# Altium PCB Copy of pcb-4layer-1oz-1.6mm.PcbDoc (part 2 of 3) (continued)
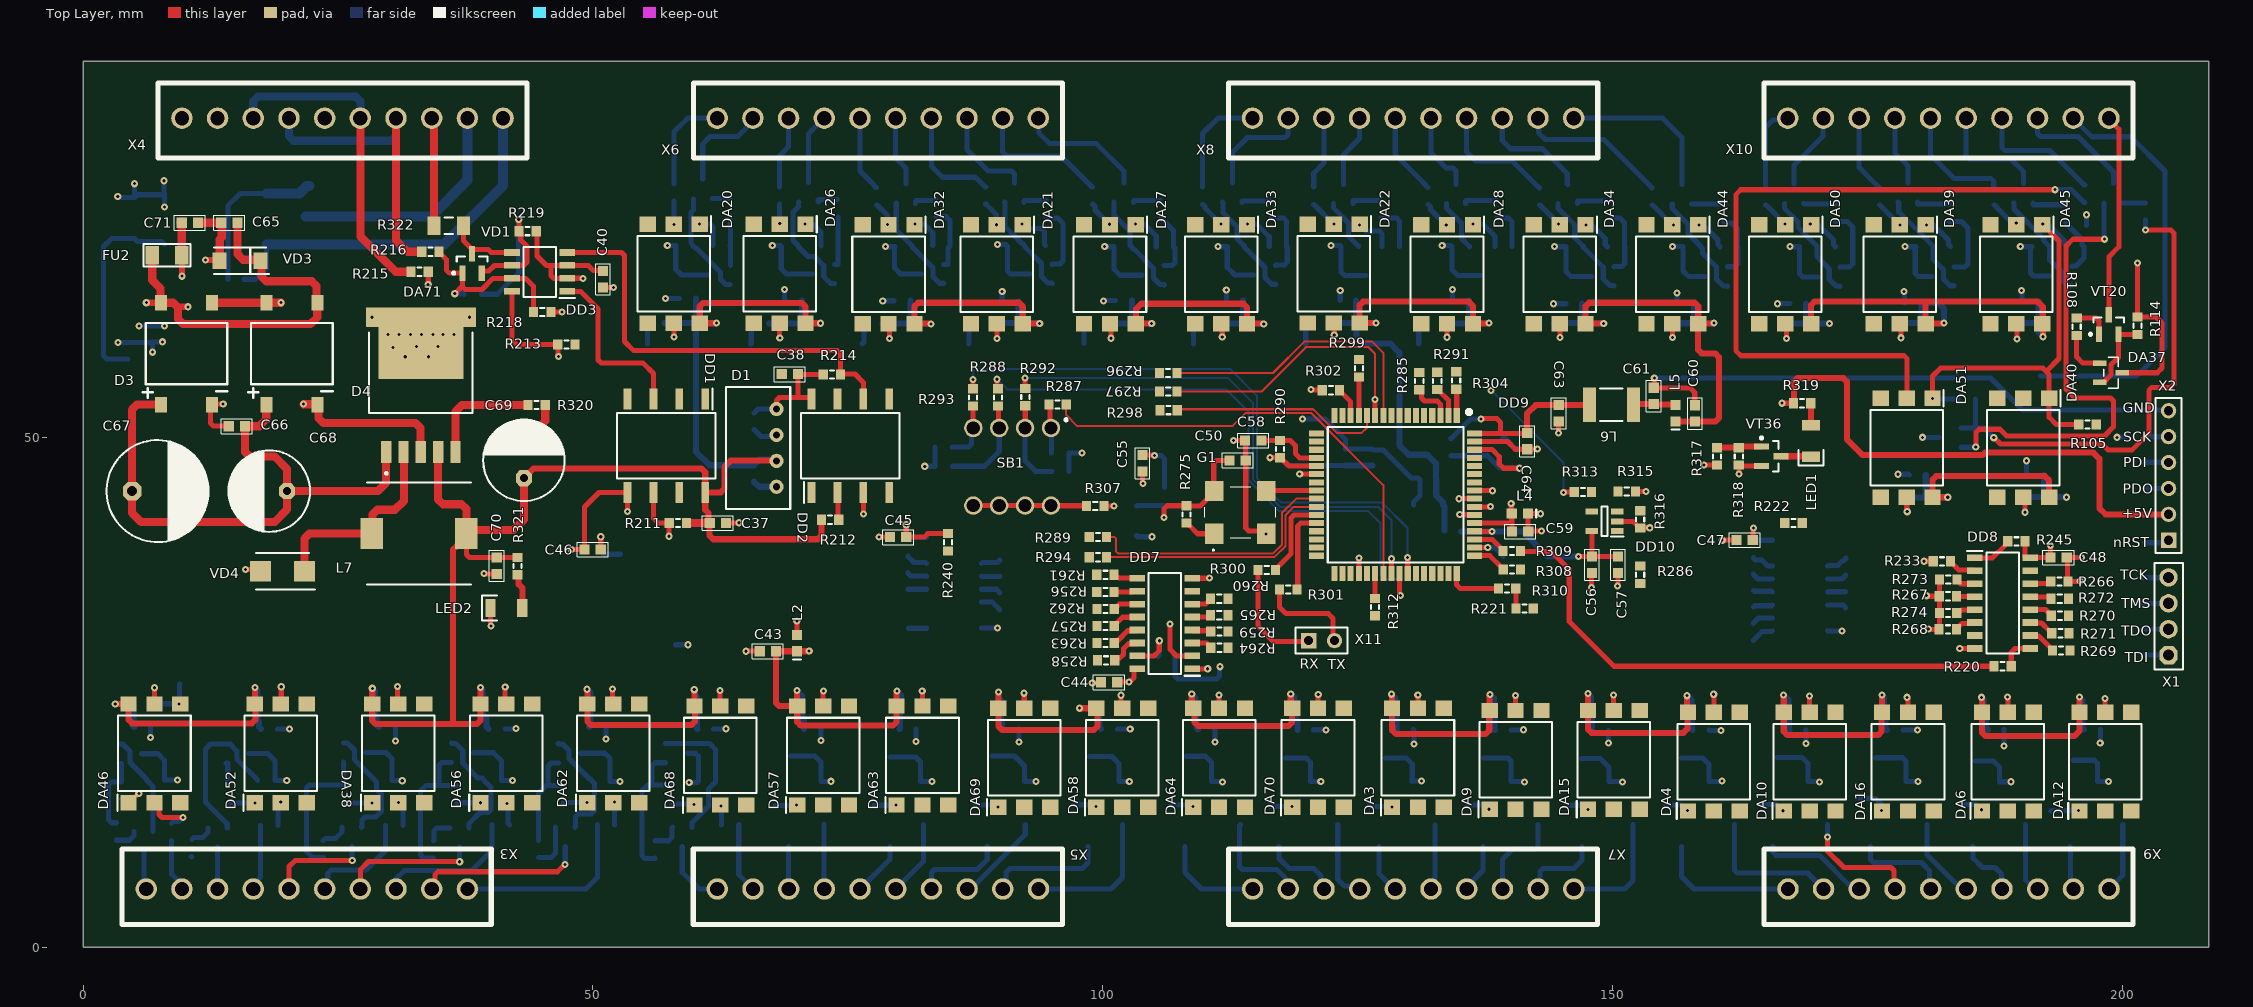
[diagram p0: Top Layer view]
## Nets (pads, with @x,y where several pads share a name; then routed paths per layer and width w, separated by ;. In a path a pad name is that pad's centre, name@x,y a point inside that pad or via, vN(x,y) a via of type N, cw(c..) or ccw(c..) an arc to the next point about the centre after c; other vN are vias at no path point) (continued)
  Top Layer w0.8: DA71.4@34.826,48.561 34.826,43.903 35.295,43.435 37.131,43.435 37.6,42.966 L7.1@37.6,40.561 ; L7.1@37.598,40.559 L7.1@37.6,40.561 ; C69.1@43.238,45.994 43.238,41.938 42.2,40.9 37.939,40.9 L7.1@37.6,40.561 ; R211.2@59.195,41.587 C37.1@61.457,41.587
  MID2 w0.6: v1(72.341,61.184) 72.368,61.184 v1@72.437,61.116 ; v1(93.824,61.159) v1@93.83,61.154 ; v1@104.806,61.154 v1(104.811,61.149) ; v1@149.079,61.2 149.113,61.166 v1(149.141,61.166)
  MID2 w1: 20.656,22.408 20.926,22.138 28.367,22.138 ; v1(28.367,25.381) 28.367,22.138 ; v1(49.411,25.29) 49.411,23.021 48.826,22.435 42.056,22.435 41.758,22.138 28.367,22.138 ; v1(59.945,25.243) 59.945,23.003 60.531,22.417 63.454,22.417 63.533,22.339 70,22.339 ; v1(70.023,25.169) 70.023,22.361 70,22.339 ; v1@72.437,61.116 v1@83.151,61.116 ; v1@89.762,25.015 89.762,23.079 89.021,22.339 70,22.339 ; v1@93.83,61.154 v1@104.806,61.154 ; v1(97.744,23.431) 107.358,23.431 v1(108.738,24.811) ; v1@115.866,61.166 v1@126.766,61.166 ; v1(118.446,24.83) 118.446,23.361 118.798,23.009 127.994,23.009 128.345,23.361 v1(128.345,24.802) ; v1(137.9,61.2) v1@149.079,61.2 ; v1(137.996,24.787) 137.996,23.133 138.348,22.782 147.239,22.782 147.591,23.133 v1(147.591,24.877) ; v1(157.323,24.658) 157.323,22.73 157.675,22.378 166.437,22.378 166.788,22.73 v1(166.788,24.72) ; v1(159.949,61.198) 171.233,61.198 171.266,61.164 v1(171.293,61.164) ; v1@171.313,61.183 171.383,61.183 173.1,61.183 ; v1(176.446,24.726) 176.446,23.253 176.798,22.902 185.849,22.902 186.2,23.253 v1(186.2,24.5) ; v1@182.483,61.183 173.1,61.183 ; v1(182.885,44.118) 182.886,44.119 188.8,44.119 ; v1(194.525,44.12) 194.524,44.119 188.8,44.119 ; 173.1,61.183 173.1,49.4 174.449,48.051 188.114,48.051 188.7,47.465 188.7,44.219 188.8,44.119
  Bottom Layer w0.6: v1(3.158,23.851) 3.175,23.869 R135.2@4.822,23.869 4.92,23.771 4.92,21.681 C23.1@5.017,21.583 ; v1(16.848,25.445) 16.848,25.418 17.126,25.139 R153.2@17.126,23.869 17.126,22.274 17.256,22.144 17.256,21.599 C26.1@17.456,21.399 ; v1(28.367,25.381) 28.367,25.354 28.618,25.103 R115.2@28.618,23.869 28.618,22.482 28.809,22.291 28.809,21.783 C18.1@29.009,21.583 ; v1(38.989,25.472) 38.989,25.445 39.149,25.286 R169.2@39.149,23.909 ; R169.2@39.108,23.869 39.172,23.804 39.172,22.91 39.582,22.5 39.582,21.599 C27.1@39.782,21.399 ; v1(49.411,25.29) 49.411,25.263 49.776,24.898 49.776,23.871 R187.2@49.779,23.869 ; C30.1@49.642,21.583 49.762,21.703 R187.2@49.762,23.852 ; R62.2@57.037,61.183 57.047,61.193 60.1,61.193 ; v1(59.945,25.243) 59.964,25.224 59.964,24.736 60.2,24.5 60.2,23.659 R205.2@60.206,23.653 60.231,23.628 60.231,21.424 C33.1@60.256,21.399 ; C9.1@60.102,63.603 60.102,61.195 60.1,61.193 ; v1(62.114,61.203) 62.104,61.193 60.1,61.193 ; R79.2@67.278,61.175 67.283,61.179 70.4,61.179 ; D1.2@68.008,47.688 67.888,47.808 66.347,47.808 C36.2@65.794,47.254 61.446,47.254 60.1,48.6 60.1,61.193 ; v1(70.023,25.169) 70.023,25.142 70.5,24.665 70.5,23.705 R170.2@70.447,23.653 70.5,23.6 70.5,22.5 70.7,22.3 70.7,21.405 C28.1@70.706,21.399 ; C12.1@70.508,63.417 70.508,61.287 70.4,61.179 ; v1(72.341,61.184) 72.337,61.179 70.4,61.179 ; R99.2@78.43,61.157 81.1,61.157 ; v1(79.824,25.107) 79.824,25.08 80.2,24.704 80.2,23.676 R188.2@80.176,23.653 80.132,23.608 80.132,21.431 C31.1@80.087,21.386 ; C15.1@81.151,63.417 81.151,61.207 81.1,61.157 ; v1(83.178,61.116) 83.151,61.116 83.111,61.157 81.1,61.157 ; R61.2@89.201,61.194 91.8,61.194 ; v1(89.772,25.025) 89.791,25.006 89.791,24.409 90,24.2 90,23.469 R207.2@90.032,23.438 90.032,22.368 90.1,22.3 90.1,21.427 C34.1@90.165,21.361 ; C10.1@91.756,63.315 91.756,61.238 91.8,61.194 ; v1(93.824,61.159) 93.797,61.159 93.762,61.194 91.8,61.194 ; v1(97.744,23.431) 97.747,23.434 99.597,23.434 R171.2@99.6,23.438 99.7,23.338 99.7,21.537 C29.1@99.837,21.4 ; R80.2@100.268,61.159 100.273,61.154 102.9,61.154 ; C13.1@102.864,63.417 102.864,61.19 102.9,61.154 ; v1(104.811,61.149) 104.806,61.154 102.9,61.154 ; v1(108.738,24.811) 108.757,24.792 108.757,24.765 109.099,24.423 109.099,23.489 R189.2@109.15,23.438 109.191,23.397 109.191,21.53 C32.1@109.366,21.355 ; R97.2@111.117,61.174 113.7,61.174 ; C16.1@113.751,63.417 113.751,61.225 113.7,61.174 ; v1(115.8,61.1) 115.773,61.1 115.699,61.174 113.7,61.174 ; 118.811,24.493 118.811,23.588 R206.2@118.961,23.438 118.961,22.339 119.1,22.2 119.1,21.328 C35.1@119.106,21.322 ; R63.2@122.162,61.208 122.166,61.204 124.9,61.204 ; C11.1@124.859,63.417 124.859,61.245 124.9,61.204 ; v1(126.8,61.2) 126.796,61.204 124.9,61.204 ; v1(128.345,24.802) 128.345,24.775 128.7,24.42 128.7,23.472 R11.2@128.665,23.438 128.8,23.303 128.8,21.396 C1.1@128.841,21.355 ; R81.2@133.266,61.146 136,61.146 ; L3.1@133.541,40.873 133.541,43.21 C49.1@133.374,43.377 133.374,43.627 132.719,44.283 C51.1@132.719,45.814 132.7,45.833 132.7,47.412 131.826,48.286 130.014,48.286 129.1,49.2 129.1,58.306 128.206,59.2 125.251,59.2 124.9,59.551 124.9,61.204 ; C14.1@135.913,63.417 135.913,61.233 136,61.146 ; v1(137.9,61.2) 137.873,61.2 137.819,61.146 136,61.146 ; 138.357,24.443 R28.2@138.357,23.27 138.408,23.219 138.408,21.347 C4.1@138.459,21.297 ; R98.2@144.25,61.224 147.2,61.224 ; C17.1@147.039,63.102 147.039,61.385 147.2,61.224 ; 147.9,24.541 147.9,23.316 R46.2@147.946,23.27 147.97,23.246 147.97,21.283 C7.1@147.994,21.259 ; v1(149.141,61.166) 149.113,61.166 149.055,61.224 147.2,61.224 ; R134.2@155.404,61.169 155.418,61.183 158,61.183 ; v1(157.323,24.658) 157.323,24.655 157.721,24.257 157.721,23.307 R12.2@157.758,23.27 157.807,23.221 157.807,21.343 C2.1@157.856,21.294 ; C21.1@158.006,63.128 158.006,61.19 158,61.183 ; v1(159.949,61.198) 159.935,61.183 158,61.183 ; R151.2@166.535,61.176 166.541,61.17 168.914,61.17 ; v1(166.788,24.72) 166.815,24.72 167.268,24.267 167.268,23.296 R29.2@167.285,23.28 ; R29.2@167.294,23.27 167.317,23.248 167.317,21.297 C5.1@167.34,21.275 ; C24.1@168.998,63.137 168.998,61.254 168.914,61.17 ; v1(171.293,61.164) 171.287,61.17 168.914,61.17 ; v1(176.446,24.726) 176.446,24.699 176.622,24.522 R45.2@176.622,23.273 ; R45.2@176.62,23.27 176.761,23.13 176.761,21.423 C8.1@176.907,21.277 ; R116.2@177.825,61.197 179.949,61.197 180.3,61.548 180.3,63.175 C19.1@180.295,63.18 180.315,63.2 181.949,63.2 182.5,62.649 v1(182.5,61.2) ; R152.2@178.32,44.102 178.328,44.11 180.602,44.11 ; C25.1@180.724,46.284 180.724,44.232 180.602,44.11 ; v1(182.885,44.118) 182.877,44.11 180.602,44.11 ; v1(186.2,24.5) 186.2,24.473 186.41,24.262 186.41,23.345 R17.2@186.485,23.27 186.629,23.126 186.629,21.5 C3.1@186.816,21.313 ; R133.2@189.088,61.192 191.8,61.192 ; R117.2@189.756,44.153 192.3,44.153 ; C22.1@191.81,63.304 191.8,63.294 191.8,61.192 ; v1(192.235,59.859) 191.8,60.294 191.8,61.192 ; C20.1@192.307,46.284 192.307,44.16 192.3,44.153 ; v1(194.525,44.12) 194.498,44.12 194.465,44.153 192.3,44.153 ; v1(195.808,24.514) 195.808,24.487 196.1,24.195 196.1,23.296 R39.2@196.075,23.27 196.1,23.245 196.1,21.474 C6.1@196.249,21.325
+5_GEN: C50.1 C52.1 G1.4 R275.2 R276.1 | length 15
  Top Layer w0.5: v1(106.01,42.134) 106.034,42.157 106.034,42.989 106.327,43.282 R275.2@108.229,43.282 ; R275.2@108.232,43.279 109.603,43.279 G1.4@111.1,44.776 ; G1.4@110.959,44.735 110.893,44.802 110.893,47.444 111.186,47.737 C50.1@112.435,47.737
  Bottom Layer w0.5: C52.1@103.314,43.257 103.348,43.292 105.985,43.292 R276.1@106.019,43.327 106.019,42.142 v1(106.01,42.134)
+5_L: C44.1 C45.1 C46.1 C47.1 C48.1 DD4.16 DD5.16 DD6.16 DD7.16 DD8.16 L2.2 R233.2 R240.2 R245.2 | length 225.7
  Top Layer w0.5: v1(50.771,40.244) 50.772,40.243 C46.1@50.772,39.005 ; v1(70,32) 70.03,31.97 L2.2@70.03,30.62 ; v1(80.737,41.423) 80.74,41.42 80.74,40.211 C45.1@80.744,40.207 82.489,40.207 82.834,40.552 R240.2@84.83,40.552 ; C44.1@101.422,25.982 102.582,25.982 v1(102.6,26) 102.638,26.038 102.699,26.038 103.053,26.393 103.053,27.215 103.128,27.29 DD7.16@103.381,27.29 ; C47.1@163.764,39.934 163.764,41.03 v1(163.825,41.091) ; v1(180.562,37.841) 181.455,37.841 R233.2@181.46,37.836 ; R245.2@190.462,39.797 190.462,38.255 190.537,38.18 DD8.16@190.974,38.18 190.986,38.192 192.938,38.192 C48.1@192.95,38.204 192.95,39.363 v1(192.972,39.385)
  MID2 w1: v1(50.771,40.244) 51.814,39.2 68.6,39.2 70,37.8 70,36.5 ; v1(70,32) 70,36.5 ; 163.834,26.108 184.208,26.108 187.6,29.5 187.6,38.2 ; v1@163.834,41.082 163.834,26.106 102.706,26.106 v1(102.6,26) 102.562,26.038 102.562,26.745 102.307,27 87.1,27 85.5,28.6 85.5,41.13 85.207,41.423 v1(80.737,41.423) 77.85,41.423 72.927,36.5 70,36.5 ; v1(180.562,37.841) 180.921,38.2 187.6,38.2 ; v1(192.972,39.385) 191.787,38.2 187.6,38.2
  Bottom Layer w0.5: v1(50.771,40.244) 50.771,38.829 51.067,38.533 DD6.16@52.69,38.533 ; v1(80.737,41.423) 80.737,40.47 81.03,40.177 DD4.16@82.709,40.177 ; v1(163.825,41.091) 163.864,41.053 163.864,40.236 164.196,39.904 DD5.16@165.682,39.904
+5_MCU: C53.1 C54.1 C55.1 C56.1 C57.1 DD9.21 DD9.52 DD10.5 L3.2 R276.2 R290.2 R295.1 R303.1 R305.1 R306.1 R315.2 R319.2 X2.2 | length 189.8
  Top Layer w0.5: C55.1@103.9,48.256 105.044,48.256 v1(105.1,48.2) ; v1(116.4,48) 117.398,48 R290.2@117.4,47.997 117.45,47.997 118.266,47.182 DD9.21@120.975,47.182 ; DD9.52@136.475,40.782 136.482,40.774 138.189,40.774 v1(138.196,40.767) ; v1(146.653,38.304) 146.66,38.297 C56.1@147.996,38.297 C57.1@150.533,38.297 ; DD10.5@147.958,40.809 147.977,40.79 147.977,38.309 C56.1@147.984,38.302 ; R315.2@152.252,44.689 153.289,44.689 v1(153.3,44.7) ; v1(166.622,53.343) 166.628,53.337 R319.2@167.755,53.337
  Top Layer w0.6: R319.2@167.789,53.371 167.789,55.449 168.141,55.8 172.649,55.8 173,55.449 173,49.8 174.549,48.251 186.298,48.251 186.547,48.5 197.161,48.5 197.762,47.899 197.762,43.038 198.356,42.444 X2.2@204.546,42.444
  MID2 w1: v1(82.548,47.156) 91.256,47.156 92.596,48.496 v1@97.926,48.496 ; v1@98.012,48.464 104.782,48.464 105.046,48.2 v1(105.1,48.2) ; v1@105.154,48.2 105.354,48 v1(116.4,48) 127.4,48 134.7,40.7 136.387,40.7 136.455,40.767 v1(138.196,40.767) ; v1(146.653,38.304) 148.949,38.304 149.3,38.655 149.3,44.349 149.651,44.7 v1(153.3,44.7) 159.112,50.512 165.212,50.512 166.622,51.922 v1(166.622,53.343)
  Bottom Layer w0.5: v1@82.549,47.157 R303.1@83.567,47.157 83.557,47.167 83.557,49.041 R295.1@83.547,49.051 ; R305.1@96.707,46.656 96.7,46.664 96.7,48.452 R306.1@96.692,48.46 97.953,48.46 v1(97.958,48.464) ; v1(105.1,48.2) 105.76,48.2 106.053,47.907 R276.2@106.053,45.06 ; v1(116.4,48) 117.4,48 118.167,47.233 C53.1@123.763,47.233
  Bottom Layer w0.6: C53.1@123.763,47.233 C54.1@126.464,47.233 ; L3.2@135.154,40.759 135.158,40.763 138.192,40.763 v1(138.196,40.767) 141.193,40.767 143.656,38.304 v1(146.653,38.304)
+5V_ISO: C38.2 C39.2 C40.1 D1.4 DD2.8 DD3.2 DD3.3 DD3.8 R213.2 R214.2 R219.2 | length 75.3
  Top Layer w0.5: DD3.8@42.067,64.316 42.067,59.533 42.501,59.099 R213.2@46.556,59.099 46.585,59.07 46.585,57.936 v1(46.613,57.908) ; R219.2@44.452,70.217 44.51,70.16 44.51,67.79 45.444,66.856 45.9,66.856 ; v1(49.04,65.584) 49.024,65.6 47.503,65.6 DD3.2@47.489,65.586 46.193,65.586 45.9,65.879 45.9,66.856 ; C40.1@51,66.3 50.943,66.357 50.043,66.357 49.544,66.856 DD3.3@47.489,66.856 45.9,66.856 ; D1.4@68.008,52.768 68,52.776 68,53.607 68.293,53.9 70.1,53.9 ; DD2.8@71.448,53.748 71.448,53.775 71.323,53.9 70.1,53.9 ; R214.2@72.6,56.145 72.574,56.17 70.152,56.17 C38.2@70.127,56.196 70.127,53.927 70.1,53.9
  MID2 w1: v1@46.601,57.92 45.654,57.92 ; v1(49.04,65.584) 49.024,65.6 45.947,65.6 45.654,65.307 45.654,57.92 ; D1.4@67.991,52.785 45.947,52.785 45.654,53.078 45.654,57.92
  Bottom Layer w0.5: C39.2@65.794,52.369 66.193,52.768 D1.4@68.008,52.768
+12V_INPUTS: C42.1 DA3.1 DA4.1 DA6.1 DA9.1 DA10.1 DA12.1 DA15.1 DA16.1 DA20.1 DA21.1 DA22.1 DA26.1 DA27.1 DA28.1 DA32.1 DA33.1 DA34.1 DA38.1 DA39.1 DA40.1 DA44.1 DA45.1 DA46.1 DA50.1 DA51.1 DA52.1 DA56.1 DA57.1 DA58.1 DA62.1 DA63.1 DA64.1 DA68.1 DA69.1 DA70.1 L1.2 R1.2 R2.2 R5.2 R18.2 R19.2 R27.2 R35.2 R36.2 R49.2 R50.2 R51.2 R67.2 R68.2 R69.2 R85.2 R86.2 R87.2 R103.2 R104.2 R105.2 R121.2 R122.2 R123.2 R139.2 R140.2 R141.2 R157.2 R158.2 R159.2 R175.2 R176.2 R177.2 R193.2 R194.2 R195.2 | length 139.5
  Top Layer w0.5: DA46.1@4.46,14.15 4.51,14.15 5.411,15.051 v1(5.464,15.051) ; DA52.1@16.846,14.15 16.846,14.146 v1(16.868,14.124) ; v1(28.339,14.142) 28.36,14.142 DA38.1@28.368,14.15 ; v1(38.963,14.159) 38.972,14.15 DA56.1@38.976,14.15 ; v1(49.416,14.165) 49.431,14.165 49.447,14.15 DA62.1@49.46,14.15 ; v1(60.462,70.907) 60.462,70.905 DA20.1@60.478,70.889 ; v1(70.8,70.9) 70.848,70.9 DA26.1@70.859,70.889 ; DA70.1@118.58,13.728 118.58,13.769 v1(118.586,13.776) ; v1(181.387,53.816) 181.387,56.001 182.186,56.8 192.2,56.8 192.538,56.462 ; v1(192.2,70.9) 192.2,70.855 193.8,69.255 193.8,57.724 192.538,56.462 ; R105.2@195.74,51.264 193.536,51.264 192.83,51.97 DA40.1@192.83,53.816 192.83,56.17 192.538,56.462
  Bottom Layer w0.5: v1(3.41,59.3) 3.417,59.294 L1.2@4.405,59.294 4.412,59.3 6.749,59.3 C42.1@6.756,59.307 ; R123.2@3.765,14.51 4.869,14.51 5.41,15.051 v1(5.464,15.051) ; v1(6.822,58.346) 6.822,59.242 C42.1@6.756,59.307 ; v1(7.788,59.364) 7.76,59.336 6.785,59.336 C42.1@6.756,59.307 ; R141.2@14.187,14.161 14.224,14.124 v1(16.868,14.124) ; R103.2@25.748,14.161 25.757,14.152 28.329,14.152 v1(28.339,14.142) ; R157.2@36.689,14.161 36.69,14.16 38.962,14.16 v1(38.963,14.159) ; R175.2@47.123,14.161 47.125,14.163 49.414,14.163 v1(49.416,14.165) ; R193.2@57.762,14.161 57.879,14.044 59.821,14.044 59.884,13.981 v1(59.938,13.981) ; v1(60.462,70.907) 61.483,70.907 61.776,70.614 R49.2@61.776,68.821 ; R158.2@67.844,13.894 69.966,13.894 v1(69.987,13.915) ; v1(70.8,70.9) 70.838,70.862 71.638,70.862 72.36,70.14 R67.2@72.36,68.745 ; R176.2@77.574,13.901 77.585,13.912 79.7,13.912 v1(79.711,13.923) ; v1(81.6,70.9) 82.499,70.9 83.339,70.06 R85.2@83.339,68.814 ; R194.2@87.416,13.936 89.494,13.936 89.678,13.753 v1(89.732,13.753) ; v1(92.1,70.9) 92.54,70.46 94.007,70.46 94.3,70.167 94.3,68.927 R50.2@94.412,68.814 ; R159.2@97.2,13.965 99.092,13.965 99.272,13.785 v1(99.326,13.785) ; v1(103.2,70.9) 104.1,70.9 105.256,69.744 R68.2@105.256,68.687 ; R177.2@106.681,13.94 108.635,13.94 108.794,13.781 v1(108.848,13.781) ; v1@114.207,70.907 115.112,70.907 116.342,69.676 R86.2@116.342,68.704 ; R195.2@116.366,13.932 116.505,13.794 118.568,13.794 v1(118.586,13.776) ; v1(125.2,70.8) 125.254,70.8 125.805,70.249 127.107,70.249 127.4,69.956 R51.2@127.4,68.697 ; R1.2@126.14,13.916 126.284,13.772 128.329,13.772 v1(128.367,13.734) ; R18.2@135.759,13.944 137.408,13.944 137.833,13.519 v1(137.888,13.519) ; v1(136.3,70.9) 137.3,70.9 138.465,69.735 R69.2@138.465,68.704 ; R35.2@145.411,13.909 147.156,13.909 v1(147.579,13.487) ; v1(147.4,70.8) 148,70.8 148.7,70.1 149.293,69.507 149.293,68.877 R87.2@149.484,68.687 ; R2.2@155.218,13.93 156.782,13.93 157.318,13.394 v1(157.372,13.394) ; v1(158.5,70.8) 158.538,70.762 158.938,70.762 159.8,69.9 160.354,69.346 160.354,68.892 R121.2@160.554,68.692 ; R19.2@164.631,13.971 166.14,13.971 v1(166.742,13.37) ; v1(169.4,70.9) 170.135,70.9 171.67,69.365 171.67,68.891 R139.2@171.87,68.691 ; R36.2@174.299,14.57 175.82,14.57 176.393,13.997 176.393,13.407 v1(176.4,13.4) ; v1(180.8,70.8) 181.516,70.8 182.968,69.348 182.968,68.903 R104.2@183.168,68.703 ; v1(181.387,53.816) 181.441,53.816 181.51,53.747 R140.2@183.901,53.747 ; R5.2@184.178,13.975 185.7,13.975 v1(186.206,13.469) ; v1(192.2,70.9) 192.226,70.874 192.729,70.874 194.352,69.251 194.352,68.891 R122.2@194.552,68.691 ; R27.2@192.977,13.332 193.045,13.4 v1(195.7,13.4)
  other v1: 114.2,70.9
AREF: C62.1 DD9.62 R314.1 | length 12.8
  Top Layer w0.5: DD9.62@136.489,48.796 138.204,48.796 138.9,48.1 138.9,47.393 139.327,46.966 v1(140.893,46.966)
  Bottom Layer w0.5: R314.1@134.188,48.186 137.75,48.186 138.957,46.979 140.881,46.979 v1(140.893,46.966)
AVCC: C63.1 C64.1 DD9.64 L6.2 R314.2 | length 20.5
  Top Layer w0.5: DD9.64@136.475,50.382 139.03,50.382 ; v1@137.124,51.824 138.676,51.824 139.03,51.47 139.03,50.382 ; C64.1@141.585,50.382 139.03,50.382
  Top Layer w0.6: C64.1@141.585,50.382 C64.1@141.636,50.432 141.636,52.336 142.455,53.155 C63.1@144.723,53.155 147.71,53.155 L6.2@147.752,53.197
  Bottom Layer w0.5: R314.2@134.138,49.886 134.188,49.886 136.102,51.8 v1(137.1,51.8)
CP_to_MCU: DD4.2 DD5.2 DD6.2 DD7.2 DD8.2 R221.2 R233.1 | length 7.8
  Top Layer w0.5: v1(106.6,31.7) 106.6,29.2 107.24,28.56 DD7.2@108.805,28.56 ; R233.1@183.16,37.836 183.16,37.786 183.957,36.989 184.744,36.989 184.748,36.985 185.475,36.985 DD8.2@185.55,36.91
DIP_CON_1: DD9.39 R287.2 | length 44.7
  Top Layer w0.2: R287.2@96.421,53.226 96.421,52.2 97.521,51.1 112.721,51.1 114.021,52.4 120.437,52.4 127.525,45.312 DD9.39@127.525,36.632
DIP_CON_2: DD9.40 R292.2 | length 52.3
  Top Layer w0.5: v1(92.4,55.8) 92.4,54.805 R292.2@92.415,54.79 ; DD9.40@128.325,36.632 128.325,38.083 v1(128.328,38.087)
  Bottom Layer w0.2: v1(92.4,55.8) 112.3,55.8 114.728,53.372 114.728,45.872 117.434,43.166 127.034,43.166 128.328,41.872 v1(128.328,38.087)
DIP_CON_3: DD9.41 R288.2 | length 59.1
  Top Layer w0.5: v1(89.648,55.691) 89.648,54.835 R288.2@89.725,54.758 ; DD9.41@129.125,36.632 129.125,34.575 v1(129.2,34.5)
  Bottom Layer w0.2: v1(89.648,55.691) 90.639,54.7 112.1,54.7 114.3,52.5 114.3,45.784 117.321,42.763 126.037,42.763 127.249,41.551 127.249,36.451 127.6,36.1 128.9,36.1 129.2,35.8 v1(129.2,34.5)
DIP_CON_4: DD9.42 R293.2 | length 60.1
  Top Layer w0.5: R293.2@87.274,54.765 87.289,54.781 v1(87.289,55.656) ; v1(129.9,38.2) 129.925,38.175 DD9.42@129.925,36.632
  Bottom Layer w0.2: v1(87.289,55.656) 87.289,56.489 87.5,56.7 112.5,56.7 115.126,54.074 115.126,45.982 117.509,43.6 127.401,43.6 129.9,41.101 v1(129.9,38.2)
GND: C1.2 C2.2 C3.2 C4.2 C5.2 C6.2 C7.2 C8.2 C9.2 C10.2 C11.2 C12.2 C13.2 C14.2 C15.2 C16.2 C17.2 C18.2 C19.2 C20.2 C21.2 C22.2 C23.2 C24.2 C25.2 C26.2 C27.2 C28.2 C29.2 C30.2 C31.2 C32.2 C33.2 C34.2 C35.2 C36.1 C37.2 C43.2 C44.2 C45.2 C46.2 C47.2 C48.2 C59.1 C66.2 C67.2 C68.2 C69.2 C70.2 D1.1 D3.2 D4.2 DA3.5 DA4.5 DA6.5 DA9.5 DA10.5 DA12.5 DA15.5 DA16.5 DA20.5 DA21.5 DA22.5 DA26.5 DA27.5 DA28.5 DA32.5 DA33.5 DA34.5 DA38.5 DA39.5 DA40.5 DA44.5 DA45.5 DA46.5 DA50.5 DA51.5 DA52.5 DA56.5 DA57.5 DA58.5 DA62.5 DA63.5 DA64.5 DA68.5 DA69.5 DA70.5 DA71.3 DA71.6 DD1.5 DD4.8 DD5.8 DD6.8 DD7.8 DD8.8 L4.1 LED2.1 R266.2 R267.2 R268.2 R273.2 R274.2 R320.2 VD4.2 | length 168.5
  Top Layer w0.5: v1(6.992,25.436) 7,25.429 DA46.5@7,23.85 ; v1(13.746,53.269) 12.713,53.269 D3.2@12.645,53.201 12.5,53.056 12.5,51.383 12.793,51.09 C66.2@14.286,51.09 ; v1(15.919,37.023) 17.263,37.023 VD4.2@17.42,36.865 ; DA52.5@19.386,23.85 19.438,23.902 v1(19.438,25.531) ; v1(30.856,25.541) 30.856,23.902 DA38.5@30.908,23.85 ; v1(39.317,36.656) 39.317,36.605 C70.2@40.582,36.605 ; LED2.1@39.966,33.265 39.966,31.5 v1(40,31.5) ; v1(41.4,25.5) 41.4,23.966 DA56.5@41.516,23.85 ; v1(47.879,39.011) 47.879,39.005 C46.2@49.172,39.005 49.172,43.172 50.598,44.598 DD1.5@53.402,44.598 53.402,42.737 v1(53.395,42.73) ; v1(51.921,25.327) 51.921,23.928 DA62.5@52,23.85 ; DA20.5@57.938,61.189 57.938,59.85 v1(57.959,59.828) ; v1(62.472,25.164) 62.472,23.674 DA68.5@62.502,23.644 ; C37.2@63.057,41.587 64.293,41.587 v1(64.327,41.621) ; v1(65.002,29.018) 65.005,29.021 C43.2@66.365,29.021 ; DA26.5@68.319,61.189 68.319,59.749 v1(68.332,59.735) ; DA57.5@72.583,23.644 72.583,25.09 v1(72.616,25.123) ; v1(78.055,40.214) 78.061,40.207 C45.2@79.144,40.207 ; DA32.5@79,61.15 79.1,61.05 v1(79.1,59.7) ; v1(82.3,25.1) 82.329,25.071 DA63.5@82.329,23.644 ; DA21.5@89.62,61.15 89.62,59.699 v1(89.637,59.682) ; v1(92.3,24.9) 92.311,24.889 DA69.5@92.311,23.428 ; v1(98.978,25.89) 99.729,25.89 C44.2@99.822,25.982 ; DA27.5@100.715,61.15 100.801,61.063 v1(100.801,59.712) ; v1(101.8,24.7) 101.8,23.545 DA58.5@101.918,23.428 ; DD7.8@108.805,36.18 110.472,36.18 v1(110.483,36.191) ; v1(111.392,24.719) 111.417,24.694 DA64.5@111.417,23.428 ; DA33.5@111.615,61.15 111.727,61.037 v1(111.727,59.853) ; DA70.5@121.12,23.428 121.12,24.745 v1(121.141,24.767) ; DA22.5@122.661,61.201 122.711,61.151 v1(122.711,60.016) ; v1(130.907,24.743) 130.921,24.729 DA3.5@130.921,23.428 ; DA28.5@133.773,61.15 133.773,59.822 v1(133.781,59.814) ; DA9.5@140.497,23.213 v1(140.497,24.678) ; v1(142.95,42.504) 142.919,42.535 L4.1@141.725,42.535 141.734,42.526 141.734,40.768 C59.1@141.744,40.759 141.781,40.796 v1(143.055,40.796) ; DA34.5@144.821,61.15 144.841,61.129 v1(144.841,59.774) ; v1(150.093,24.733) 150.093,23.258 DA15.5@150.138,23.213 ; DA44.5@155.877,61.15 155.877,59.823 v1(155.9,59.8) ; v1(159.93,24.798) 159.946,24.782 DA4.5@159.946,23.045 ; v1(160.761,39.908) 160.787,39.934 C47.2@162.164,39.934 ; DA50.5@166.941,61.15 167.051,61.04 v1(167.051,59.692) ; v1(169.334,24.641) 169.334,23.05 DA10.5@169.339,23.045 ; DA39.5@178.178,61.15 178.306,61.022 v1(178.306,59.758) ; DA51.5@178.867,44.096 178.867,42.798 178.909,42.756 v1(178.909,42.702) ; v1(178.9,24.5) 178.983,24.417 DA16.5@178.983,23.045 ; v1(180.791,34.464) 180.85,34.406 R267.2@182.045,34.406 ; v1(180.988,31.199) 181.023,31.165 R268.2@182.04,31.165 182.06,31.184 182.06,36.021 R273.2@182.079,36.041 ; v1(184.061,29.302) 184.073,29.29 DD8.8@185.55,29.29 ; v1(188.756,24.547) 188.777,24.525 DA6.5@188.777,23.045 ; DA45.5@189.615,61.15 189.673,61.092 v1(189.673,59.634) ; DA40.5@190.29,44.116 190.455,43.951 v1(190.455,42.65) ; v1(195.88,35.917) 195.833,35.871 R266.2@194.686,35.871 194.618,35.939 194.618,38.136 C48.2@194.55,38.204 195.979,38.204 v1(195.987,38.211) ; v1(198.318,24.376) 198.318,23.068 DA12.5@198.341,23.045
  Top Layer w0.8: v1(21.627,53.248) 22.935,53.248 D4.2@22.982,53.201 23.097,53.086 23.097,51.869 23.566,51.4 32.61,51.4 33.078,50.931 DA71.3@33.078,48.609 ; C69.2@43.238,49.494 45.333,51.589 R320.2@45.333,53.176
  Bottom Layer w0.5: C23.2@6.617,21.583 6.617,20.554 v1(6.629,20.543) ; C26.2@19.056,21.399 20.233,21.399 v1(20.242,21.408) ; C18.2@30.609,21.583 30.654,21.539 v1(30.654,20.21) ; C27.2@41.382,21.399 42.433,21.399 v1(42.47,21.435) ; C30.2@51.242,21.583 51.3,21.526 v1(51.3,20.4) ; v1(57.139,63.608) 57.144,63.603 C9.2@58.502,63.603 ; DD6.8@58.114,29.643 58.123,29.652 v1(59.337,29.652) ; C33.2@61.856,21.399 63.022,21.399 v1(63.04,21.417) ; v1(68.8,64.5) 68.8,63.525 C12.2@68.908,63.417 ; C28.2@72.306,21.399 72.387,21.317 v1(72.387,20.27) ; v1(78.428,63.371) 78.452,63.394 79.528,63.394 C15.2@79.551,63.417 ; v1(81.675,20.151) 81.687,20.163 C31.2@81.687,21.386 ; DD4.8@88.133,31.287 89.687,31.287 v1(89.7,31.3) ; v1(90.145,64.312) 90.156,64.301 C10.2@90.156,63.315 ; C34.2@91.765,21.361 91.8,21.327 v1(91.8,20.1) ; v1(100.064,63.381) 100.1,63.417 C13.2@101.264,63.417 ; C29.2@101.437,21.4 v1(102.7,21.4) ; C32.2@110.966,21.355 111.033,21.288 v1(111.033,20.114) ; v1(112.126,64.443) 112.151,64.418 C16.2@112.151,63.417 ; C35.2@120.706,21.322 121.878,21.322 v1(121.9,21.3) ; C11.2@123.259,63.417 123.302,63.46 123.302,64.398 v1(123.3,64.4) ; C1.2@130.441,21.355 130.539,21.257 v1(130.539,19.921) ; v1(134.3,64.5) 134.313,64.487 C14.2@134.313,63.417 ; C4.2@140.059,21.297 141.269,21.297 v1(141.287,21.314) ; v1(144.2,63.1) 144.225,63.1 144.227,63.102 C17.2@145.439,63.102 ; C7.2@149.594,21.259 149.594,20.027 149.6,20.021 v1(149.6,20) ; v1(156.333,64.159) 156.333,63.202 C21.2@156.406,63.128 ; C2.2@159.456,21.294 159.519,21.23 v1(160.651,21.23) ; v1(166.2,63.1) 166.237,63.137 C24.2@167.398,63.137 ; C5.2@168.94,21.275 168.971,21.243 v1(168.971,19.953) ; DD5.8@171.106,31.014 172.486,31.014 v1(172.5,31) ; v1(178.006,46.378) 179.029,46.378 C25.2@179.124,46.284 ; C8.2@178.507,21.277 179.877,21.277 v1(179.9,21.3) ; v1(178.6,64.3) 178.654,64.246 178.654,63.221 C19.2@178.695,63.18 ; v1(188.396,19.736) 188.416,19.756 C3.2@188.416,21.313 ; v1(190.1,64.4) 190.152,64.348 190.152,63.361 C22.2@190.21,63.304 ; v1(190.6,47.7) 190.6,46.391 C20.2@190.707,46.284 ; v1(197.838,20.027) 197.849,20.039 C6.2@197.849,21.325
  Bottom Layer w0.6: C36.1@65.794,45.654 66.3,45.148 D1.1@68.008,45.148
  other v2: 31.6,57.9 33.9,57.9 30.4,58.8 32.7,58.9 34.8,58.9 29.9,60.1 31,60.1 32.1,60.1 33.2,60.1 34.3,60.1 35.3,60.1 36.4,60.1 28.344,61.776 37.909,61.776